# Altium PCB foxbms2-interface-mc33664.PcbDoc (part 2 of 2)
Units mm, origin at the board's own origin, x right, y up, seen from the top; angles counter-clockwise.
Board outline 70 x 120 mm, 4 copper layers (Top Copper, GND, Supply, Bot Copper), stack 1.56 mm thick; 114 components, 84 nets, 318 pads, 124 vias.
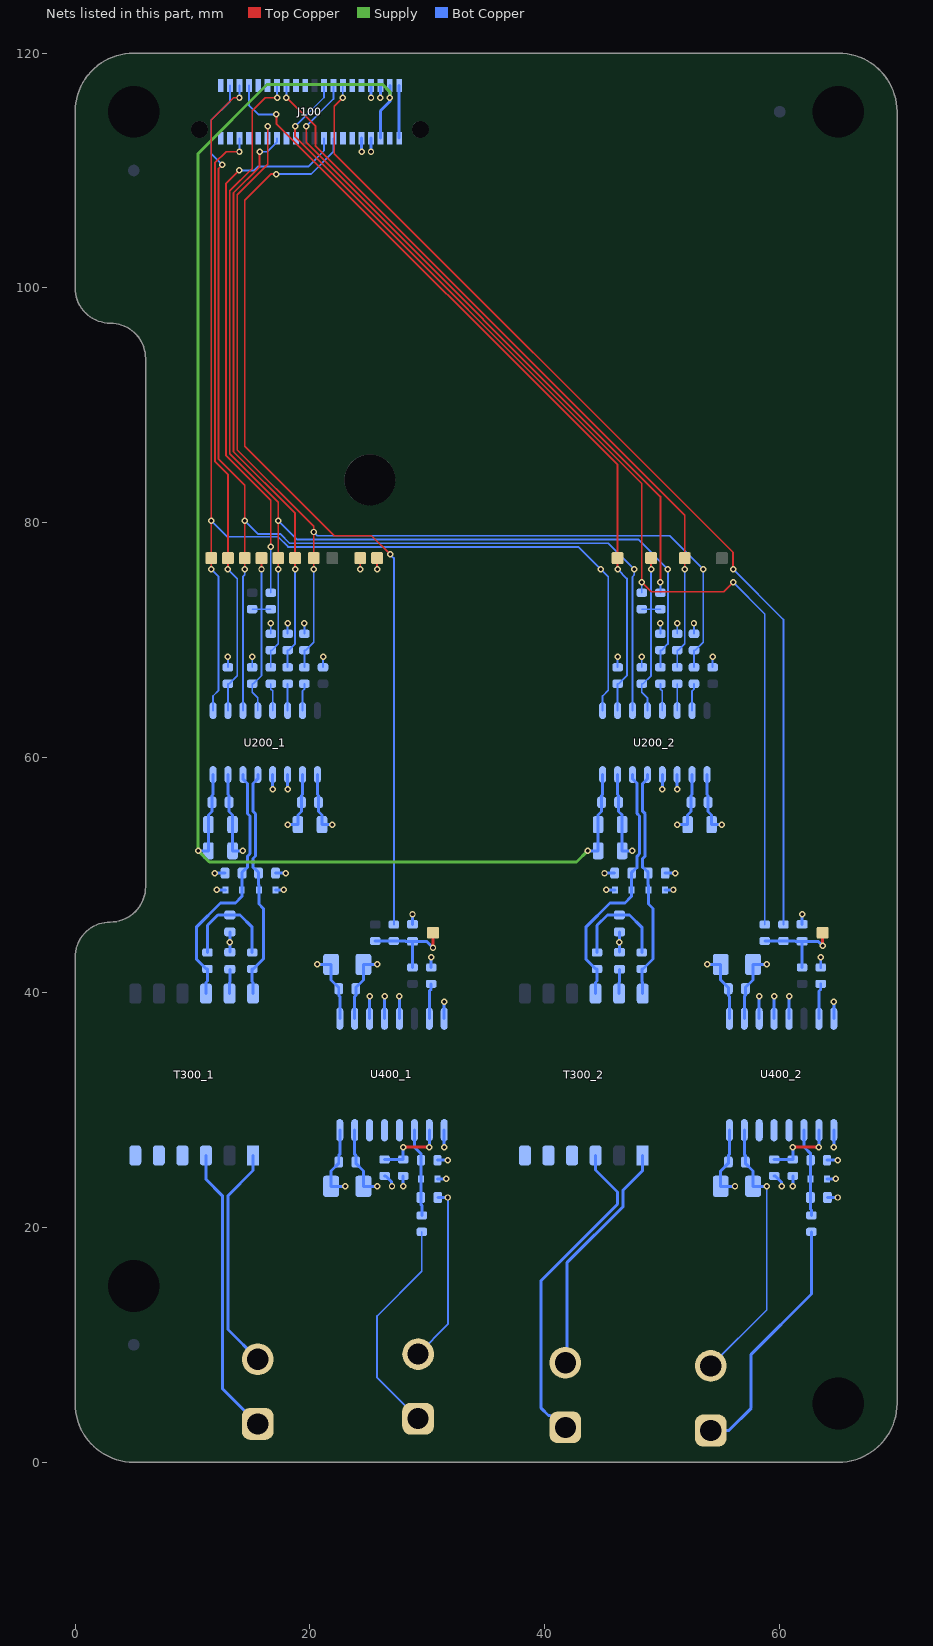
[diagram p4: the nets of this part, all layers, seen from the top]

## Via types
v1: diameter 0.55, hole 0.3, Top Copper to Bot Copper, 124 vias

## Nets (pads, with @x,y where several pads share a name; then routed paths per layer and width w, separated by ;. In a path a pad name is that pad's centre, name@x,y a point inside that pad or via, vN(x,y) a via of type N, cw(c..) or ccw(c..) an arc to the next point about the centre after c; other vN are vias at no path point) (continued)
\IF_INT3: J100.23 R103.1 R106.1 | length 95.2
  Top Copper w0.152: v1(18.732,113.778) 18.732,112.871 48.26,83.344 v1(48.26,74.93) 49.054,74.136 55.245,74.136 v1(56.039,74.93)
  Bot Copper w0.152: v1(18.732,113.778) 18.757,113.778 21.2,116.221 J100.23@21.2,117.25 ; R103.1@48.26,74.043 v1(48.26,74.93) ; v1(56.039,74.93) 58.737,72.231 R106.1@58.737,45.785
\MCU_SPI1.CS1: J100.6 R200_1.1 TP_SPI1.CS1.1 U200_1.2 | length 51.5
  Top Copper w0.152: v1(13.018,76.041) TP_SPI1.CS1.1@13.018,76.994 13.018,84.138 11.906,85.249 11.906,110.649 12.859,111.601 v1(14,111.601)
  Bot Copper w0.152: U200_1.2@13.018,64.003 R200_1.1@13.018,66.292 13.117,66.292 13.811,66.986 13.811,75.248 v1(13.018,76.041) ; v1(14,111.601) 14,111.971 J100.6@14,112.75
\MCU_SPI1.CS2: J100.7 R200_2.1 TP_SPI1.CS2.1 U200_2.2 | length 67.9
  Top Copper w0.152: v1(17.145,114.776) 17.145,113.983 46.196,84.931 TP_SPI1.CS2.1@46.196,76.994 v1(46.196,76.041)
  Bot Copper w0.152: J100.7@14.8,117.25 14.8,115.57 15.594,114.776 v1(17.145,114.776) ; U200_2.2@46.196,64.003 R200_2.1@46.196,66.292 46.296,66.292 46.99,66.986 46.99,75.248 v1(46.196,76.041)
\MCU_SPI1.CS3: J100.8
\MCU_SPI1.CS4: J100.9
\MCU_SPI1.CS5: J100.10
\MCU_SPI4.CS0: J100.14 R202_1.1 R204_1.1 TP_SPI4.CS0.1 | length 49.5
  Top Copper w0.152: v1(15.716,111.601) 15.716,110.331 13.494,108.109 13.494,86.043 18.732,80.804 TP_SPI4.CS0.1@18.732,76.994 v1(18.732,76.041)
  Bot Copper w0.152: v1(15.716,111.601) 16.351,111.601 17.2,112.45 J100.14@17.2,112.75 ; R204_1.1@18.098,67.693 R202_1.1@18.098,69.15 18.197,69.15 18.732,69.685 v1(18.732,76.041)
\MCU_SPI4.CS1: J100.15 R202_2.1 R204_2.1 TP_SPI4.CS1.1 | length 64
  Top Copper w0.152: v1(18,116.205) 18.042,116.205 20.479,113.768 20.479,112.078 51.911,80.645 TP_SPI4.CS1.1@51.911,76.994 v1(51.911,76.041)
  Bot Copper w0.152: v1(18,116.205) J100.15@18,117.25 ; R204_2.1@51.276,67.693 R202_2.1@51.276,69.15 51.376,69.15 51.911,69.685 v1(51.911,76.041)
\MCU_SPI4.CS2: J100.16
\MCU_SPI4.CS3: J100.17
\MCU_SPI4.CS4: J100.18
\MCU_SPI4.CS5: J100.19
ALARM_1._P: J103.1 R401_1.2 | length 18.9
  Bot Copper w0.152: J103.1@29.21,3.708 25.717,7.2 25.717,12.448 29.527,16.258 R401_1.2@29.527,19.62
ALARM_1_IND: C401_1.2 D400_1.1 R401_1.1 R402_1.1 U400_1.11 | length 7.5
  Bot Copper w0.254: U400_1.11@28.892,28.27 28.892,26.839 29.462,26.269 R402_1.1@29.462,25.717 D400_1.1@29.462,24.13 29.462,23.728 29.438,23.703 C401_1.2@29.438,22.543 29.438,21.966 29.527,21.876 R401_1.1@29.527,21.02
ALARM_1_U_1: U400_1.14
ALARM_1_U_2: U400_1.13
ALARM_1_U_3: U400_1.12
ALARM_1_U_4: R403_1.1 R405_1.2 U400_1.10 | length 6.3
  Top Copper w0.254: v1(27.94,26.829) v1(30.162,26.829)
  Bot Copper w0.254: R403_1.1@26.352,25.783 27.388,25.783 R405_1.2@27.94,25.782 v1(27.94,26.829) ; v1(30.162,26.829) U400_1.10@30.162,28.27
ALARM_2._P: J104.1 R401_2.2 | length 21.4
  Bot Copper w0.254: J104.1@54.134,2.699 55.668,2.699 57.573,4.604 57.573,9.187 62.706,14.321 R401_2.2@62.706,19.62
ALARM_2_IND: C401_2.2 D400_2.1 R401_2.1 R402_2.1 U400_2.11 | length 7.5
  Bot Copper w0.254: U400_2.11@62.071,28.27 62.071,26.839 62.641,26.269 R402_2.1@62.641,25.717 D400_2.1@62.641,24.13 62.641,23.144 62.616,23.119 C401_2.2@62.616,22.543 62.616,21.562 62.706,21.472 R401_2.1@62.706,21.02
ALARM_2_U_1: U400_2.14
ALARM_2_U_2: U400_2.13
ALARM_2_U_3: U400_2.12
ALARM_2_U_4: R403_2.1 R405_2.2 U400_2.10 | length 6.3
  Top Copper w0.254: v1(61.119,26.829) v1(63.341,26.829)
  Bot Copper w0.254: R403_2.1@59.531,25.783 60.567,25.783 R405_2.2@61.119,25.782 v1(61.119,26.829) ; v1(63.341,26.829) U400_2.10@63.341,28.27
ALARM_OUT_1: C400_1.2 R104.2 R105.2 R400_1.2 TP_ALARM_1.1 | length 8.6
  Top Copper w0.254: v1(30.48,43.815) TP_ALARM_1.1@30.48,45.085
  Bot Copper w0.254: R104.2@25.559,44.385 R105.2@27.146,44.385 28.132,44.385 28.157,44.36 C400_1.2@28.734,44.36 ; R400_1.2@28.734,42.134 28.734,44.291 28.803,44.36 29.935,44.36 v1(30.48,43.815)
ALARM_OUT_2: C400_2.2 R106.2 R107.2 R400_2.2 TP_ALARM_2.1 | length 8.4
  Top Copper w0.254: v1(63.659,43.974) TP_ALARM_2.1@63.659,45.085
  Bot Copper w0.254: R106.2@58.737,44.385 R107.2@60.325,44.385 61.311,44.385 61.336,44.36 C400_2.2@61.912,44.36 ; R400_2.2@61.912,42.134 61.912,44.291 61.981,44.36 63.272,44.36 v1(63.659,43.974)
EN_1: R100.2 R101.2 R206_1.2 TP_EN1.1 U200_1.4 | length 15.2
  Top Copper w0.152: v1(15.875,76.041) TP_EN1.1@15.875,76.994
  Bot Copper w0.152: R101.2@15.081,72.643 15.875,72.643 ; U200_1.4@15.557,64.003 15.557,65.087 15.081,65.564 R206_1.2@15.081,66.293 15.181,66.293 15.875,66.986 15.875,72.643 ; v1(15.875,76.041) 15.875,72.643 ; R100.2@16.669,72.643 15.875,72.643
EN_2: R102.2 R103.2 R206_2.2 TP_EN2.1 U200_2.4 | length 15.2
  Top Copper w0.152: v1(49.054,76.041) TP_EN2.1@49.054,76.994
  Bot Copper w0.152: R103.2@48.26,72.643 49.054,72.643 ; U200_2.4@48.736,64.003 48.736,65.087 48.26,65.564 R206_2.2@48.26,66.293 48.36,66.293 49.054,66.986 49.054,72.643 ; v1(49.054,76.041) 49.054,72.643 ; R102.2@49.847,72.643 49.054,72.643
GND: C200_1.1 C200_2.1 C201_1.1 C201_2.1 C202_1.1 C202_2.1 C203_1.1 C203_2.1 C204_1.1 C204_2.1 C205_1.2 C205_2.2 C206_1.1 C206_2.1 C300_1.2 C300_2.2 C301_1.1 C301_2.1 C400_1.1 C400_2.1 C402_1.1 C402_2.1 C403_1.1 C403_2.1 D200_1.1 D200_2.1 D201_1.2 D201_2.2 J100.32 J100.33 R206_1.1 R206_2.1 R207_1.1 R207_2.1 R208_1.1 R208_2.1 TP_GND.1 U200_1.10 U200_1.11 U200_1.12 U200_1.15 U200_2.10 U200_2.11 U200_2.12 U200_2.15 U400_1.2 U400_1.3 U400_1.4 U400_1.5 U400_1.8 U400_2.2 U400_2.3 U400_2.4 U400_2.5 U400_2.8 | length 77.2
  Top Copper w0.152: v1(25.717,76.041) TP_GND.1@25.717,76.994
  Bot Copper w0.152: R206_1.1@15.081,67.693 v1(15.081,68.58) ; R207_1.1@16.669,70.55 v1(16.669,71.438) ; R208_1.1@19.526,70.55 v1(19.526,71.438) ; R206_2.1@48.26,67.693 v1(48.26,68.58) ; R207_2.1@49.847,70.55 v1(49.847,71.438) ; R208_2.1@52.705,70.55 v1(52.705,71.438)
  Bot Copper w0.254: v1(11.906,50.165) C205_1.2@12.769,50.165 ; v1(12.065,48.736) D200_1.1@12.794,48.736 ; U200_1.15@13.018,58.553 13.018,56.864 13.107,56.774 C202_1.1@13.107,56.197 13.107,55.419 13.407,55.119 C203_1.1@13.407,54.292 C204_1.1@13.407,52.07 v1(14.287,52.07) ; C301_1.1@13.176,43.429 v1(13.176,44.291) C300_1.2@13.176,45.154 ; v1(16.828,57.309) U200_1.12@16.828,58.553 ; D201_1.2@17.051,48.736 v1(17.78,48.736) ; C206_1.1@17.076,50.165 v1(17.939,50.165) ; v1(18.098,54.292) C200_1.1@18.978,54.292 18.978,55.119 19.278,55.419 C201_1.1@19.278,56.197 19.278,56.774 19.367,56.864 U200_1.10@19.367,58.553 ; v1(18.098,57.309) U200_1.11@18.098,58.553 ; U400_1.2@23.812,37.77 23.812,39.656 23.902,39.746 C403_1.1@23.902,40.322 23.902,40.422 24.553,41.073 C402_1.1@24.553,42.386 v1(25.717,42.386) ; v1(24.4,111.601) J100.32@24.4,112.75 ; U400_1.3@25.082,37.77 v1(25.082,39.688) ; v1(25.2,116.205) J100.33@25.2,117.25 ; U400_1.4@26.352,37.77 v1(26.352,39.688) ; U400_1.5@27.622,37.77 v1(27.622,39.688) ; C400_1.1@28.734,45.81 v1(28.734,46.672) ; U400_1.8@31.432,37.77 v1(31.432,39.211) ; v1(45.085,50.165) C205_2.2@45.948,50.165 ; v1(45.244,48.736) D200_2.1@45.972,48.736 ; U200_2.15@46.196,58.553 46.196,56.864 46.286,56.774 C202_2.1@46.286,56.197 46.286,55.419 46.586,55.119 C203_2.1@46.586,54.292 C204_2.1@46.586,52.07 v1(47.466,52.07) ; C301_2.1@46.355,43.429 v1(46.355,44.291) C300_2.2@46.355,45.154 ; v1(50.006,57.309) U200_2.12@50.006,58.553 ; D201_2.2@50.23,48.736 v1(50.959,48.736) ; C206_2.1@50.255,50.165 v1(51.117,50.165) ; v1(51.276,54.292) C200_2.1@52.156,54.292 52.156,55.119 52.456,55.419 C201_2.1@52.456,56.197 52.456,56.774 52.546,56.864 U200_2.10@52.546,58.553 ; v1(51.276,57.309) U200_2.11@51.276,58.553 ; U400_2.2@56.991,37.77 56.991,39.656 57.081,39.746 C403_2.1@57.081,40.322 57.081,40.422 57.731,41.073 C402_2.1@57.731,42.386 v1(58.896,42.386) ; U400_2.3@58.261,37.77 v1(58.261,39.688) ; U400_2.4@59.531,37.77 v1(59.531,39.688) ; U400_2.5@60.801,37.77 v1(60.801,39.688) ; C400_2.1@61.912,45.81 v1(61.912,46.672) ; U400_2.8@64.611,37.77 v1(64.611,39.211)
GND_ISO_1: C401_1.1 C404_1.1 C405_1.1 D400_1.2 J103.2 R402_1.2 R405_1.1 U400_1.9 U400_1.15 | length 25.4
  Bot Copper w0.152: J103.2@29.21,9.207 31.75,11.747 v1(31.75,22.543)
  Bot Copper w0.254: U400_1.15@23.812,28.27 23.812,26.225 23.902,26.135 C404_1.1@23.902,25.559 23.902,25.459 24.553,24.809 C405_1.1@24.553,23.495 v1(25.717,23.495) ; v1(27.94,23.495) R405_1.1@27.94,24.382 ; D400_1.2@30.862,24.13 v1(31.591,24.13) ; R402_1.2@30.862,25.717 v1(31.75,25.717) ; C401_1.1@30.887,22.543 v1(31.75,22.543) ; v1(31.432,26.829) U400_1.9@31.432,28.27
GND_ISO_2: C401_2.1 C404_2.1 C405_2.1 D400_2.2 J104.2 R402_2.2 R405_2.1 U400_2.9 U400_2.15 | length 28.3
  Bot Copper w0.152: J104.2@54.134,8.199 58.896,12.961 v1(58.896,23.495)
  Bot Copper w0.254: U400_2.15@56.991,28.27 56.991,26.225 57.081,26.135 C404_2.1@57.081,25.559 57.081,25.459 57.731,24.809 C405_2.1@57.731,23.495 v1(58.896,23.495) ; v1(61.119,23.495) R405_2.1@61.119,24.382 ; D400_2.2@64.041,24.13 v1(64.77,24.13) ; R402_2.2@64.041,25.717 v1(64.929,25.717) ; C401_2.1@64.066,22.543 v1(64.929,22.543) ; v1(64.611,26.829) U400_2.9@64.611,28.27
IF_GPIO.0: J100.24 R100.1 | length 47
  Top Copper w0.152: v1(13.97,110.014) 12.859,108.902 12.859,85.725 16.669,81.915 v1(16.669,77.946)
  Bot Copper w0.152: v1(13.97,110.014) 15.24,110.014 15.557,110.331 19.844,110.331 21.2,111.687 J100.24@21.2,112.75 ; R100.1@16.669,74.043 v1(16.669,77.946)
IF_GPIO.1: J100.25 R102.1 | length 56.7
  Top Copper w0.152: v1(19.685,113.778) 19.685,112.395 49.847,82.233 v1(49.847,74.93)
  Bot Copper w0.152: v1(19.685,113.778) 22,116.093 J100.25@22,117.25 ; R102.1@49.847,74.043 v1(49.847,74.93)
IF_GPIO.2: J100.26 R105.1 | length 79.2
  Top Copper w0.152: v1(17.145,109.696) 16.669,109.696 14.446,107.474 14.446,86.519 22.066,78.899 25.241,78.899 v1(26.829,77.311)
  Bot Copper w0.152: v1(17.145,109.696) 20.089,109.696 22,111.608 J100.26@22,112.75 ; v1(26.829,77.311) 27.146,76.994 R105.1@27.146,45.785
IF_GPIO.3: J100.27 R107.1 | length 87.6
  Top Copper w0.152: v1(22.8,116.205) 22.066,115.471 22.066,111.442 56.039,77.47 v1(56.039,76.041)
  Bot Copper w0.152: v1(22.8,116.205) J100.27@22.8,117.25 ; v1(56.039,76.041) 60.325,71.755 R107.1@60.325,45.785
IF_GPIO.4: J100.28
IF_GPIO.5: J100.29
IF_GPIO.6: J100.30
IF_GPIO.7: J100.31
MCU_SPI1.CLK: J100.5 TP_SPI1.CLK.1 U200_1.1 U200_2.1 | length 102.4
  Top Copper w0.152: v1(11.589,76.041) TP_SPI1.CLK.1@11.589,76.994 v1(11.589,80.169) 11.589,114.3 13.494,116.205 v1(14,116.205)
  Bot Copper w0.152: v1(11.589,76.041) 12.224,75.406 12.224,65.722 11.747,65.246 U200_1.1@11.747,64.003 ; v1@11.589,80.169 12.954,78.803 17.279,78.803 18.136,77.946 42.862,77.946 v1(44.767,76.041) 45.402,75.406 45.402,65.722 44.926,65.246 U200_2.1@44.926,64.003 ; v1(14,116.205) J100.5@14,117.25
MCU_SPI1.SIMO0: J100.3 TP_SPI1.SIMO0.1 U200_1.3 U200_2.3 | length 102.4
  Top Copper w0.152: v1(12.541,110.49) 12.224,110.172 12.224,85.407 14.446,83.185 v1(14.446,76.041)
  Bot Copper w0.152: v1(12.541,110.49) 11.589,111.442 11.589,114.3 13.2,115.911 J100.3@13.2,117.25 ; U200_1.3@14.287,64.003 14.287,75.406 14.446,75.565 v1(14.446,76.041) ; v1(14.446,80.169) 15.557,79.057 17.462,79.057 18.256,78.264 45.402,78.264 v1(47.625,76.041) 47.625,75.565 47.466,75.406 U200_2.3@47.466,64.003
MCU_SPI1.SIMO1: J100.4
MCU_SPI1.SOMI0: J100.1
MCU_SPI1.SOMI1: J100.2
MCU_SPI4.CLK: J100.13 R203_1.1 R203_2.1 R207_1.2 R207_2.2 TP_SPI4.CLK.1 | length 97.4
  Top Copper w0.152: v1(17.2,116.205) 16.192,116.205 15.081,115.094 15.081,110.172 13.176,108.267 13.176,85.884 17.304,81.756 v1(17.304,76.041)
  Bot Copper w0.152: R203_1.1@16.669,67.693 R207_1.2@16.669,69.15 16.769,69.15 17.304,69.685 v1(17.304,76.041) ; v1(17.2,116.205) J100.13@17.2,117.25 ; v1(17.304,80.169) 18.891,78.581 47.942,78.581 v1(50.482,76.041) 50.482,69.685 49.947,69.15 R207_2.2@49.847,69.15 R203_2.1@49.847,67.693
MCU_SPI4.SIMO: J100.12 R205_1.1 R205_2.1 R208_1.2 R208_2.2 TP_SPI4.SIMO.1 | length 94.5
  Top Copper w0.152: v1(16.4,113.778) 16.4,110.539 13.811,107.95 13.811,86.201 20.32,79.692 v1(20.32,79.216) TP_SPI4.SIMO.1@20.32,76.994 v1(20.32,76.041)
  Bot Copper w0.152: J100.12@16.4,112.75 v1(16.4,113.778) ; R205_1.1@19.526,67.693 R208_1.2@19.526,69.15 19.626,69.15 20.32,69.844 v1(20.32,76.041) ; v1(20.32,79.216) 20.637,78.899 50.641,78.899 v1(53.499,76.041) 53.499,69.844 52.805,69.15 R208_2.2@52.705,69.15 R205_2.1@52.705,67.693
MCU_SPI4.SOMI: J100.11
NetC300_1_1: C300_1.1 R300_1.1 R301_1.2 | length 9.1
  Bot Copper w0.254: R300_1.1@11.271,43.404 11.271,45.72 12.155,46.604 C300_1.1@13.176,46.604 14.039,46.604 15.081,45.561 R301_1.2@15.081,43.404
NetC300_2_1: C300_2.1 R300_2.1 R301_2.2 | length 9.1
  Bot Copper w0.254: R300_2.1@44.45,43.404 44.45,45.72 45.334,46.604 C300_2.1@46.355,46.604 47.218,46.604 48.26,45.561 R301_2.2@48.26,43.404
NetC301_1_2: C301_1.2 T300_1.11 | length 2.1
  Bot Copper w0.254: T300_1.11@13.153,39.9 13.153,40.858 13.176,40.881 C301_1.2@13.176,41.979
NetC301_2_2: C301_2.2 T300_2.11 | length 2.1
  Bot Copper w0.254: T300_2.11@46.332,39.9 46.332,40.858 46.355,40.881 C301_2.2@46.355,41.979
NetR203_1_2: R203_1.2 U200_1.5 | length 2.4
  Bot Copper w0.152: R203_1.2@16.669,66.293 16.669,65.841 16.828,65.682 U200_1.5@16.828,64.003
NetR203_2_2: R203_2.2 U200_2.5 | length 2.4
  Bot Copper w0.152: R203_2.2@49.847,66.293 49.847,65.841 50.006,65.682 U200_2.5@50.006,64.003
NetR204_1_2: R204_1.2 U200_1.6 | length 2.3
  Bot Copper w0.152: U200_1.6@18.098,64.003 R204_1.2@18.098,66.293
NetR204_2_2: R204_2.2 U200_2.6 | length 2.3
  Bot Copper w0.152: U200_2.6@51.276,64.003 R204_2.2@51.276,66.293
NetR205_1_2: R205_1.2 U200_1.7 | length 2.4
  Bot Copper w0.152: U200_1.7@19.367,64.003 19.367,65.682 19.526,65.841 R205_1.2@19.526,66.293
NetR205_2_2: R205_2.2 U200_2.7 | length 2.4
  Bot Copper w0.152: U200_2.7@52.546,64.003 52.546,65.682 52.705,65.841 R205_2.2@52.705,66.293
NetR404_1_1: R404_1.1 U400_1.7 | length 3
  Bot Copper w0.254: U400_1.7@30.162,37.77 30.162,40.123 30.321,40.282 R404_1.1@30.321,40.734
NetR404_2_1: R404_2.1 U400_2.7 | length 3
  Bot Copper w0.254: U400_2.7@63.341,37.77 63.341,40.123 63.5,40.282 R404_2.1@63.5,40.734
PER_3.3V: C200_1.2 C200_2.2 C201_1.2 C201_2.2 C402_1.2 C402_2.2 C403_1.2 C403_2.2 J100.34 J100.35 R200_1.2 R200_2.2 R201_1.2 R201_2.2 R202_1.2 R202_2.2 R404_1.2 R404_2.2 TP_PER_3.3V.1 U200_1.9 U200_2.9 U400_1.1 U400_2.1 | length 33
  Top Copper w0.152: v1(24.289,76.041) TP_PER_3.3V.1@24.289,76.994
  Bot Copper w0.152: R200_1.2@13.018,67.692 v1(13.018,68.58) ; R202_1.2@18.098,70.55 v1(18.098,71.438) ; R201_1.2@21.114,67.692 v1(21.114,68.58) ; R200_2.2@46.196,67.692 v1(46.196,68.58) ; R202_2.2@51.276,70.55 v1(51.276,71.438) ; R201_2.2@54.292,67.692 v1(54.292,68.58)
  Bot Copper w0.254: v1(20.637,42.386) C402_1.2@21.803,42.386 21.803,41.072 22.453,40.422 C403_1.2@22.453,40.322 22.453,39.746 22.543,39.656 U400_1.1@22.543,37.77 ; U200_1.9@20.637,58.553 20.637,56.864 20.727,56.774 C201_1.2@20.727,56.197 20.727,55.419 21.028,55.119 C200_1.2@21.028,54.292 v1(21.907,54.292) ; v1(25.2,111.601) J100.34@25.2,112.75 ; v1(26,116.205) J100.35@26,117.25 ; R404_1.2@30.321,42.134 v1(30.321,43.021) ; v1(53.816,42.386) C402_2.2@54.981,42.386 54.981,41.072 55.631,40.422 C403_2.2@55.631,40.322 55.631,39.746 55.721,39.656 U400_2.1@55.721,37.77 ; U200_2.9@53.816,58.553 53.816,56.864 53.906,56.774 C201_2.2@53.906,56.197 53.906,55.419 54.206,55.119 C200_2.2@54.206,54.292 v1(55.086,54.292) ; R404_2.2@63.5,42.134 v1(63.5,43.021)
PER_5.0V: C202_1.2 C202_2.2 C203_1.2 C203_2.2 C204_1.2 C204_2.2 J100.36 J100.37 U200_1.16 U200_2.16 | length 132.7
  Supply w0.254: v1(26.8,116.205) 26.8,116.711 26.195,117.316 16.351,117.316 10.477,111.442 v1(10.477,52.07) 11.43,51.117 42.704,51.117 v1(43.656,52.07)
  Bot Copper w0.254: v1(10.477,52.07) C204_1.2@11.357,52.07 C203_1.2@11.357,54.292 11.357,55.119 11.658,55.419 C202_1.2@11.658,56.197 11.658,56.774 11.747,56.864 U200_1.16@11.747,58.553 ; J100.36@26,112.75 26,115.087 26.8,115.887 v1(26.8,116.205) J100.37@26.8,117.25 ; v1(43.656,52.07) C204_2.2@44.536,52.07 C203_2.2@44.536,54.292 44.536,55.119 44.836,55.419 C202_2.2@44.836,56.197 44.836,56.774 44.926,56.864 U200_2.16@44.926,58.553
TPL_1._N: J101.2 T300_1.1 | length 19.3
  Bot Copper w0.254: T300_1.1@15.16,26.12 15.16,24.844 13.018,22.701 13.018,11.302 J101.2@15.557,8.762
TPL_1._P: J101.1 T300_1.3 | length 24.7
  Bot Copper w0.254: T300_1.3@11.147,26.12 11.147,24.096 12.541,22.701 12.541,6.278 J101.1@15.557,3.262
TPL_2._N: J102.2 T300_2.1 | length 20.4
  Bot Copper w0.254: J102.2@41.751,8.469 41.91,8.627 41.91,17.018 46.672,21.78 46.672,23.177 48.339,24.844 T300_2.1@48.339,26.12
TPL_2._P: J102.1 T300_2.3 | length 27.7
  Bot Copper w0.254: J102.1@41.751,2.969 41.455,2.969 40.455,3.969 40.312,3.969 40.312,3.979 39.688,4.604 39.688,15.469 46.196,21.977 46.196,23.019 44.326,24.889 T300_2.3@44.326,26.12
TPL_INT_1_N: C206_1.2 D201_1.1 R301_1.1 T300_1.12 U200_1.13 | length 19.9
  Bot Copper w0.254: T300_1.12@15.16,39.9 15.16,40.858 15.081,40.937 R301_1.1@15.081,42.004 15.181,42.004 16.034,42.856 16.034,47.149 15.651,47.531 D201_1.1@15.651,48.736 15.651,49.138 15.626,49.163 C206_1.2@15.626,50.165 15.626,50.232 15.346,50.513 15.309,50.513 15.161,50.662 15.161,51.414 15.369,51.622 15.369,55.221 15.161,55.43 15.161,57.806 15.557,58.203 U200_1.13@15.557,58.553
TPL_INT_1_P: C205_1.1 D200_1.2 R300_1.2 T300_1.10 U200_1.14 | length 22.1
  Bot Copper w0.254: T300_1.10@11.147,39.9 11.147,40.858 11.271,40.983 R300_1.2@11.271,42.004 11.171,42.004 10.319,42.856 10.319,45.561 12.383,47.625 13.652,47.625 14.194,48.166 14.194,49.138 14.219,49.163 C205_1.1@14.219,50.165 14.219,50.232 14.499,50.513 14.536,50.513 14.684,50.662 14.684,51.611 14.893,51.819 14.893,55.024 14.684,55.232 14.684,57.806 14.287,58.203 U200_1.14@14.287,58.553
TPL_INT_2_N: C206_2.2 D201_2.1 R301_2.1 T300_2.12 U200_2.13 | length 19.9
  Bot Copper w0.254: T300_2.12@48.339,39.9 48.339,40.858 48.26,40.937 R301_2.1@48.26,42.004 48.36,42.004 49.212,42.856 49.212,47.149 48.83,47.531 D201_2.1@48.83,48.736 48.83,49.138 48.805,49.163 C206_2.2@48.805,50.165 48.805,50.232 48.524,50.513 48.488,50.513 48.339,50.662 48.339,51.414 48.548,51.622 48.548,55.221 48.339,55.43 48.339,57.806 48.736,58.203 U200_2.13@48.736,58.553
TPL_INT_2_P: C205_2.1 D200_2.2 R300_2.2 T300_2.10 U200_2.14 | length 22.1
  Bot Copper w0.254: T300_2.10@44.326,39.9 44.326,40.858 44.45,40.983 R300_2.2@44.45,42.004 44.35,42.004 43.497,42.856 43.497,45.561 45.561,47.625 46.831,47.625 47.372,48.166 D200_2.2@47.372,48.736 47.372,49.138 47.397,49.163 C205_2.1@47.397,50.165 47.397,50.232 47.678,50.513 47.714,50.513 47.863,50.662 47.863,51.611 48.071,51.819 48.071,55.024 47.863,55.232 47.863,57.806 47.466,58.203 U200_2.14@47.466,58.553
TR_unused_1.1: T300_1.6
TR_unused_1.2: T300_1.5
TR_unused_1.3: T300_1.4
TR_unused_2.1: T300_2.6
TR_unused_2.2: T300_2.5
TR_unused_2.3: T300_2.4
VBB_12V: J100.38
VISO_1: C404_1.2 C405_1.2 R403_1.2 U400_1.16 | length 7.5
  Bot Copper w0.254: U400_1.16@22.543,28.27 22.543,26.225 22.453,26.135 C404_1.2@22.453,25.559 22.453,25.459 21.803,24.809 C405_1.2@21.803,23.495 v1(23.019,23.495) ; R403_1.2@26.352,24.383 26.452,24.383 26.963,23.872 26.963,23.519 v1(26.987,23.495)
VISO_2: C404_2.2 C405_2.2 R403_2.2 U400_2.16 | length 7.5
  Bot Copper w0.254: U400_2.16@55.721,28.27 55.721,26.225 55.631,26.135 C404_2.2@55.631,25.559 55.631,25.459 54.981,24.809 C405_2.2@54.981,23.495 v1(56.197,23.495) ; R403_2.2@59.531,24.383 59.631,24.383 60.142,23.872 60.142,23.519 v1(60.166,23.495)
VSUP: J100.39 J100.40 | length 4.5
  Bot Copper w0.254: J100.40@27.6,112.75 J100.39@27.6,117.25
pads on no net: FD1.0 FD2.0 FD3.0 J100. MP100.Lightpipe MP102.1 MP103.1 MP104.1 MP105.1 T300_1.2 T300_1.7 T300_1.8 T300_1.9 T300_2.2 T300_2.7 T300_2.8 T300_2.9
copper on no net:
  other v1: 61.226,22.491 28.048,22.543

## Polygon pours and split planes (outlines as drawn)
no net on Bottom Overlay "Polygon_21_NoNet" (solid): 61.485,96.203 64.276,96.203 64.277,95.63 63.063,95.63 63.061,94.692 62.607,94.692 62.606,95.63 61.942,95.629 61.941,94.645 61.486,94.646
no net on Bottom Overlay "Polygon_20_NoNet" (solid): 23 vertices, not listed, extent 62.16,93.067 64.277,94.287
no net on Bottom Overlay "Polygon_19_NoNet" (solid): 32 vertices, not listed, extent 63.014,91.984 64.323,92.932
no net on Bottom Overlay "Polygon_18_NoNet" (solid): 49 vertices, not listed, extent 62.164,91.07 64.308,92.712
no net on Bottom Overlay "Polygon_17_NoNet" (solid): 41 vertices, not listed, extent 62.209,88.788 64.322,90.683
no net on Bottom Overlay "Polygon_16_NoNet" (solid): 44 vertices, not listed, extent 62.163,86.372 64.277,88.261
no net on Bottom Overlay "Polygon_15_NoNet" (solid): 43 vertices, not listed, extent 61.284,83.954 64.277,85.847
no net on Bottom Overlay "Polygon_14_NoNet" (solid): 75 vertices, not listed, extent 62.159,81.483 64.322,83.642
no net on Bottom Overlay "Polygon_13_NoNet" (solid): 35 vertices, not listed, extent 61.235,79.922 64.278,81.372
no net on Bottom Overlay "Polygon_12_NoNet" (solid): 68 vertices, not listed, extent 62.173,77.856 64.326,79.788
no net on Bottom Overlay "Polygon_11_NoNet" (solid): 25 vertices, not listed, extent 62.103,76.208 64.332,77.557
no net on Bottom Overlay "Polygon_10_NoNet" (solid): 65.665,79.598 65.665,79.303 67.071,79.304 67.07,79.599
no net on Bottom Overlay "Polygon_9_NoNet" (solid): 65.665,78.965 65.665,78.681 67.071,78.681 67.069,78.964
no net on Bottom Overlay "Polygon_8_NoNet" (solid): 60 vertices, not listed, extent 65.642,77.504 67.093,78.392
no net on Bottom Overlay "Polygon_7_NoNet" (solid): 56 vertices, not listed, extent 65.662,76.269 67.07,77.238
no net on Bottom Overlay "Polygon_6_NoNet" (solid): 60.107,101.712 61.274,101.706 61.254,101.332 61.199,100.78 61.099,100.077 61.025,99.683 60.931,99.266 60.779,98.701 60.62,98.214 60.446,97.759 60.363,97.567 60.103,97.567
no net on Bottom Overlay "Polygon_5_NoNet" (solid): 35 vertices, not listed, extent 60.446,97.568 61.97,101.71
no net on Bottom Overlay "Polygon_4_NoNet" (solid): 35 vertices, not listed, extent 60.828,97.57 63.073,101.707
no net on Bottom Overlay "Polygon_3_NoNet" (solid): 31 vertices, not listed, extent 61.335,97.568 64.275,101.707
no net on Bottom Overlay "Polygon_2_NoNet" (solid): 50 vertices, not listed, extent 61.828,97.567 64.276,101.337
no net on Bottom Overlay "Polygon_1_NoNet" (solid): 24 vertices, not listed, extent 62.237,97.568 64.276,100.244
GND on GND "GND_L02_P048" (solid, pour order 48): 2.222,117.951 2.222,38.894 67.786,38.894 67.786,117.951
GND_ISO_2 on GND "NONET_L-01_P-001" (solid, pour order 51): 54.134,29.369 54.134,21.749 65.429,21.749 65.429,29.369
GND_ISO_1 on GND "NONET_L-01_P-001" (solid, pour order 49): 20.955,29.369 20.955,21.749 32.25,21.749 32.25,29.369
no net on Top Overlay "Polygon_37_NoNet" (solid): 134 vertices, not listed, extent 61.22,82.13 64.857,85.768
no net on Top Overlay "Polygon_38_NoNet" (solid): 58 vertices, not listed, extent 62.465,82.907 63.613,83.951
no net on Top Overlay "Polygon_39_NoNet" (solid): 59 vertices, not listed, extent 62.465,83.952 63.613,84.996
no net on Top Overlay "Polygon_41_NoNet" (solid): 17 vertices, not listed, extent 62.461,87.63 64.219,88.629
no net on Top Overlay "Polygon_42_NoNet" (solid): 33 vertices, not listed, extent 61.858,87.865 62.39,88.394
no net on Top Overlay "Polygon_37_NoNet" (solid): 134 vertices, not listed, extent 61.221,86.312 64.858,89.949
no net on Top Overlay "Polygon_22_NoNet" (solid): 105 vertices, not listed, extent 47.946,91.928 54.894,113.444
no net on Top Overlay "Polygon_23_NoNet" (solid): 75 vertices, not listed, extent 49.812,108.675 53.018,110.868
no net on Top Overlay "Polygon_24_NoNet" (solid): 33 vertices, not listed, extent 49.821,105.256 53.01,108.042
no net on Top Overlay "Polygon_25_NoNet" (solid): 69 vertices, not listed, extent 49.839,102.376 52.991,104.609
no net on Top Overlay "Polygon_26_NoNet" (solid): 53 vertices, not listed, extent 50.231,98.518 53.021,101.316
no net on Top Overlay "Polygon_27_NoNet" (solid): 60 vertices, not listed, extent 50.231,95.991 53.027,98.528
no net on Top Overlay "Polygon_28_NoNet" (solid): 61 vertices, not listed, extent 49.204,93.516 53.995,96.313
no net on Top Overlay "Polygon_36_NoNet" (solid, pour order 44): 65.462,94.723 65.462,110.065 60.484,110.065 60.484,94.723
PER_3.3V on Supply "NONET_L-01_P-001" (solid, pour order 47): 2.222,117.951 2.222,38.894 67.786,38.894 67.786,117.951
VISO_2 on Supply "NONET_L-01_P-001" (solid, pour order 52): 54.134,29.369 54.134,21.749 65.429,21.749 65.429,29.369
VISO_1 on Supply "NONET_L-01_P-001" (solid, pour order 50): 20.955,29.369 20.955,21.749 32.25,21.749 32.25,29.369

## Keep-outs
Keep-Out Layer:
  region: 3,44 3,46 0,46 0,44
  region: 3,97 3,99 0,99 0,97
  rectangle: 6,49 8,94
  region: 62,118 62,120 8,120 8,118
  rectangle: 0,20 2,110
  rectangle: 68,10 70,110
  lines w2: 3,45 ccw(c3,49) 7,49 ; 3,98 cw(c3,94) 7,94

## Other copper
Top Copper:
  text "L1/Top" at 54.105,114.609 h1.52
GND:
  text "L2" at 57.025,114.611 h1.5
Supply:
  text "L3" at 57.015,114.62 h1.5
Bot Copper:
  text "L4/Bot." at 53.998,114.606 h1.52

## Silkscreen, mask and mechanical layers (free items; w line width, h text height)
Top Overlay:
  drawing of 19 lines, arcs and shapes, not listed
  text "foxBMS.org" at 59.575,95.422 h2.76 r90
  text "'.GlobalProject' v'.GlobalVersion'" at 67.837,94.013 h1.4 r90
  text "Debug LED / Master" at 28.909,81.848 h1.52
  text "Creative Commons / Attribution 4.0" at 67.661,80.642 h1.27 r90
  text "Isolation / 1250 V DC max. / See documentation  / for details." at 54.61,27.136 h1.52
  text "DANGER / high voltage / may be present" at 38.224,20.674 h1.52
  text "↯" at 12.354,17.23 h30.48
  text "↯" at 25.372,17.071 h30.48
  text "↯" at 57.439,16.753 h30.48
  text "↯" at 42.041,16.277 h30.48
  text "ALARM_1" at 24.59,14.329 h2.03
  text "TPL_1" at 13.316,14.2 h2.03
  text "TPL_2" at 38.338,14.2 h2.03
  text "ALARM_2" at 51.316,14.2 h2.03
Bottom Overlay:
  circle w0.5: c49.847,26.035 r0.25
  circle w0.5: c16.669,26.035 r0.25
  lines w0.2: 31.591,26.194 31.75,26.352 32.226,26.352 ; 64.691,26.194 64.849,26.352 65.405,26.352
  text "TPL_N" at 16.387,15.291 h1.52 r90
  text "TPL_N" at 41.387,15.291 h1.52 r90
  text "AL_N" at 29.387,14.563 h1.52 r90
  text "AL_N" at 54.387,14.563 h1.52 r90
  text "TPL_P" at 18.279,8.901 h1.52 r90
  text "TPL_P" at 43.279,8.901 h1.52 r90
  text "AL_P" at 31.279,8.538 h1.52 r90
  text "AL_P" at 56.279,8.538 h1.52 r90
Mechanical 15:
  the board outline again, w0.2